# Allegro board S071AA-0413-20260427_Power.brd (continued)
## Routing (per net, layer and track width the routed paths; a pad name or vN(x,y) marks a point on that pad's centre or on a via; arc(x,y) is an arc through that point) (continued)
48.53,41.45 ; D120.B14 48.53,39.83 ; D120.B14 49.34,40.64 ; 55.34,415.29 DPS8.A01 ; DPS8.A01 56.96,415.29 ; DPS8.A01 56.15,414.48 ; DPS8.A01 56.15,416.1 ; 246.65,13.16 DPS1.A05 ; DPS1.A05 245.84,13.97 ; DPS1.A05 247.46,13.97 ; DPS1.A05 246.65,14.78 ; 95.98,342.9 CSDPS425.B14 ; CSDPS425.B14 96.79,343.71 ; CSDPS425.B14 97.6,342.9 ; CSDPS425.B14 96.79,342.09 ; UHC430.G1_11 19.99,358.45 ; UHC430.G1_11 18.37,358.45 ; UHC430.G1_11 19.18,359.26 ; UHC430.G1_11 19.18,357.64 ; D105.B4 244.11,102.41 ; D105.B4 243.3,101.6 ; D105.B4 244.11,100.79 ; D105.B4 244.92,101.6 ; D108.B5 246.65,38.91 ; D108.B5 247.46,38.1 ; D108.B5 245.84,38.1 ; D108.B5 246.65,37.29 ; 238.22,347.98 D110.B16 ; D110.B16 239.03,347.17 ; D110.B16 239.03,348.79 ; D110.B16 239.84,347.98 ; 263.62,327.66 D109.B6 ; D109.B6 264.43,328.47 ; D109.B6 264.43,326.85 ; D109.B6 265.24,327.66 ; D101.A1 162.83,94.79 ; D101.A1 163.64,93.98 ; D101.A1 162.83,93.17 ; D101.A1 162.02,93.98 ; D119.A14 49.34,55.88 ; D119.A14 48.53,55.07 ; D119.A14 47.72,55.88 ; D119.A14 48.53,56.69 ; 177.26,330.2 D113.B11 ; D113.B11 178.88,330.2 ; D113.B11 178.07,331.01 ; D113.B11 178.07,329.39 ; D428.B3 125.54,401.32 ; D428.B3 124.73,400.51 ; D428.B3 123.92,401.32 ; D428.B3 124.73,402.13 ; D114.B4 196.66,347.98 ; D114.B4 195.85,347.17 ; D114.B4 195.85,348.79 ; D114.B4 195.04,347.98 ; D106.B12 265.24,81.28 ; D106.B12 264.43,80.47 ; D106.B12 263.62,81.28 ; D106.B12 264.43,82.09 ; 53.61,397.97 D432.B2 ; D432.B2 53.61,399.59 ; D432.B2 54.42,398.78 ; D432.B2 52.8,398.78 ; D123.A16 127.27,56.69 ; D123.A16 127.27,55.07 ; D123.A16 126.46,55.88 ; D123.A16 128.08,55.88 ; 14.7,406.4 D432.A17 ; D432.A17 15.51,405.59 ; D432.A17 15.51,407.21 ; D432.A17 16.32,406.4 ; 167.91,390.35 D116.B15 ; D116.B15 167.91,391.97 ; D116.B15 168.72,391.16 ; D116.B15 167.1,391.16 ; 88.36,33.02 D124.A1 ; D124.A1 89.98,33.02 ; D124.A1 89.17,33.83 ; D124.A1 89.17,32.21 ; 162.02,38.1 D104.B1 ; D104.B1 162.83,38.91 ; D104.B1 163.64,38.1 ; D104.B1 162.83,37.29 ; 47.02,363.7 UHC430.G2_4 ; UHC430.G2_4 48.64,363.7 ; UHC430.G2_4 47.83,362.89 ; UHC430.G2_4 47.83,364.51 ; 239.03,367.49 D111.B16 ; D111.B16 239.84,368.3 ; D111.B16 238.22,368.3 ; D111.B16 239.03,369.11 ; 184.88,81.28 D102.B10 ; D102.B10 186.5,81.28 ; D102.B10 185.69,82.09 ; D102.B10 185.69,80.47 ; 254.27,367.49 D111.B10 ; D111.B10 253.46,368.3 ; D111.B10 254.27,369.11 ; D111.B10 255.08,368.3 ; 99.33,32.21 D124.A5 ; D124.A5 98.52,33.02 ; D124.A5 99.33,33.83 ; D124.A5 100.14,33.02 ; D108.A10 259.35,36.37 ; D108.A10 259.35,34.75 ; D108.A10 260.16,35.56 ; D108.A10 258.54,35.56 ; D232.B1 56.96,391.16 ; D232.B1 56.15,391.97 ; D232.B1 56.15,390.35 ; D232.B1 55.34,391.16 ; 48.17,361.95 UHC430.G2_6 ; UHC430.G2_6 48.98,361.14 ; UHC430.G2_6 49.79,361.95 ; UHC430.G2_6 48.98,362.76 ; D231.A14 23.94,373.38 ; D231.A14 22.32,373.38 ; D231.A14 23.13,374.19 ; D231.A14 23.13,372.57 ; D104.B2 166.18,40.64 ; D104.B2 165.37,39.83 ; D104.B2 164.56,40.64 ; D104.B2 165.37,41.45 ; CSDPS225.B10 107.76,332.74 ; CSDPS225.B10 106.95,333.55 ; CSDPS225.B10 106.95,331.93 ; CSDPS225.B10 106.14,332.74 ; D107.A1 236.49,54.15 ; D107.A1 237.3,53.34 ; D107.A1 236.49,52.53 ; D107.A1 235.68,53.34 ; 122.19,55.07 D123.A14 ; D123.A14 123,55.88 ; D123.A14 121.38,55.88 ; D123.A14 122.19,56.69 ; 43.45,377.65 D431.B6 ; D431.B6 43.45,379.27 ; D431.B6 42.64,378.46 ; D431.B6 44.26,378.46 ; D104.B9 183.15,38.91 ; D104.B9 183.15,37.29 ; D104.B9 183.96,38.1 ; D104.B9 182.34,38.1 ; D231.B11 30.75,371.65 ; D231.B11 30.75,370.03 ; D231.B11 29.94,370.84 ; D231.B11 31.56,370.84 ; D432.B11 31.56,401.32 ; D432.B11 30.75,402.13 ; D432.B11 29.94,401.32 ; D432.B11 30.75,400.51 ; 91.71,55.07 D123.A2 ; D123.A2 90.9,55.88 ; D123.A2 92.52,55.88 ; D123.A2 91.71,56.69 ; 190.77,55.07 D103.A12 ; D103.A12 191.58,55.88 ; D103.A12 190.77,56.69 ; D103.A12 189.96,55.88 ; 249.19,352.25 D110.A12 ; D110.A12 249.19,353.87 ; D110.A12 250,353.06 ; D110.A12 248.38,353.06 ; 95.98,76.2 D122.A4 ; D122.A4 96.79,75.39 ; D122.A4 96.79,77.01 ; D122.A4 97.6,76.2 ; D105.A16 275.4,96.52 ; D105.A16 273.78,96.52 ; D105.A16 274.59,95.71 ; D105.A16 274.59,97.33 ; 261.08,355.6 D110.A7 ; D110.A7 261.89,354.79 ; D110.A7 261.89,356.41 ; D110.A7 262.7,355.6 ; 162.02,73.66 D102.A1 ; D102.A1 162.83,72.85 ; D102.A1 163.64,73.66 ; D102.A1 162.83,74.47 ; 246.65,57.61 D107.B5 ; D107.B5 247.46,58.42 ; D107.B5 245.84,58.42 ; D107.B5 246.65,59.23 ; D110.B7 261.89,351.33 ; D110.B7 262.7,350.52 ; D110.B7 261.08,350.52 ; D110.B7 261.89,349.71 ; 246.65,349.71 D110.B13 ; D110.B13 246.65,351.33 ; D110.B13 247.46,350.52 ; D110.B13 245.84,350.52 ; 33.29,392.89 D232.A10 ; D232.A10 34.1,393.7 ; D232.A10 32.48,393.7 ; D232.A10 33.29,394.51 ; 35.02,391.16 D232.B9 ; D232.B9 35.83,391.97 ; D232.B9 36.64,391.16 ; D232.B9 35.83,390.35 ; 236.49,77.93 D106.B1 ; D106.B1 237.3,78.74 ; D106.B1 235.68,78.74 ; D106.B1 236.49,79.55 ; D112.B14 244.11,389.43 ; D112.B14 244.92,388.62 ; D112.B14 243.3,388.62 ; D112.B14 244.11,387.81 ; D103.A7 178.07,54.15 ; D103.A7 178.07,52.53 ; D103.A7 178.88,53.34 ; D103.A7 177.26,53.34 ; 42.64,342.9 CSDPS429.B6 ; CSDPS429.B6 44.26,342.9 ; CSDPS429.B6 43.45,342.09 ; CSDPS429.B6 43.45,343.71 ; D108.B3 242.38,38.1 ; D108.B3 240.76,38.1 ; D108.B3 241.57,38.91 ; D108.B3 241.57,37.29 ; 239.03,100.79 D105.B2 ; D105.B2 238.22,101.6 ; D105.B2 239.03,102.41 ; D105.B2 239.84,101.6 ; 94.25,359.87 CSDPS426.C15 ; CSDPS426.C15 93.44,360.68 ; CSDPS426.C15 95.06,360.68 ; CSDPS426.C15 94.25,361.49 ; 175.53,34.75 D104.A6 ; D104.A6 175.53,36.37 ; D104.A6 176.34,35.56 ; D104.A6 174.72,35.56 ; 40.91,370.03 D231.B7 ; D231.B7 40.91,371.65 ; D231.B7 41.72,370.84 ; D231.B7 40.1,370.84 ; D121.B10 112.03,102.41 ; D121.B10 112.03,100.79 ; D121.B10 112.84,101.6 ; D121.B10 111.22,101.6 ; 256,78.74 D106.B9 ; D106.B9 257.62,78.74 ; D106.B9 256.81,77.93 ; D106.B9 256.81,79.55 ; D427.A11 104.41,386.89 ; D427.A11 104.41,385.27 ; D427.A11 105.22,386.08 ; D427.A11 103.6,386.08 ; D432.A5 46.8,406.4 ; D432.A5 45.99,407.21 ; D432.A5 45.18,406.4 ; D432.A5 45.99,405.59 ; D227.A10 106.95,374.19 ; D227.A10 106.14,373.38 ; D227.A10 107.76,373.38 ; D227.A10 106.95,372.57 ; 200.12,373.38 D115.A2 ; D115.A2 200.93,372.57 ; D115.A2 200.93,374.19 ; D115.A2 201.74,373.38 ; D113.A14 170.45,333.55 ; D113.A14 169.64,332.74 ; D113.A14 171.26,332.74 ; D113.A14 170.45,331.93 ; D121.B12 117.92,101.6 ; D121.B12 117.11,100.79 ; D121.B12 117.11,102.41 ; D121.B12 116.3,101.6 ; 240.76,330.2 D109.B15 ; D109.B15 242.38,330.2 ; D109.B15 241.57,329.39 ; D109.B15 241.57,331.01 ; D102.A12 191.58,76.2 ; D102.A12 189.96,76.2 ; D102.A12 190.77,75.39 ; D102.A12 190.77,77.01 ; UHC230.G3_13 45.19,348.29 ; UHC230.G3_13 44.38,349.1 ; UHC230.G3_13 43.57,348.29 ; UHC230.G3_13 44.38,347.48 ; 42.64,398.78 D432.B6 ; D432.B6 43.45,397.97 ; D432.B6 44.26,398.78 ; D432.B6 43.45,399.59 ; 38.37,382.73 D431.A8 ; D431.A8 39.18,383.54 ; D431.A8 38.37,384.35 ; D431.A8 37.56,383.54 ; 266.97,349.71 D110.B5 ; D110.B5 267.78,350.52 ; D110.B5 266.97,351.33 ; D110.B5 266.16,350.52 ; 193.31,32.21 D104.A13 ; D104.A13 194.12,33.02 ; D104.A13 192.5,33.02 ; D104.A13 193.31,33.83 ; D105.B7 252.54,99.06 ; D105.B7 251.73,99.87 ; D105.B7 251.73,98.25 ; D105.B7 250.92,99.06 ; 52.8,332.74 CSDPS229.B2 ; CSDPS229.B2 53.61,333.55 ; CSDPS229.B2 54.42,332.74 ; CSDPS229.B2 53.61,331.93 ; UHC430.G1_12 17.69,358.45 ; UHC430.G1_12 16.07,358.45 ; UHC430.G1_12 16.88,359.26 ; UHC430.G1_12 16.88,357.64 ; D228.B16 92.52,388.62 ; D228.B16 91.71,389.43 ; D228.B16 90.9,388.62 ; D228.B16 91.71,387.81 ; 114.57,329.39 CSDPS225.C7 ; CSDPS225.C7 113.76,330.2 ; CSDPS225.C7 115.38,330.2 ; CSDPS225.C7 114.57,331.01 ; D120.B11 40.91,38.91 ; D120.B11 40.1,38.1 ; D120.B11 40.91,37.29 ; D120.B11 41.72,38.1 ; D119.B16 54.42,60.96 ; D119.B16 53.61,60.15 ; D119.B16 52.8,60.96 ; D119.B16 53.61,61.77 ; 249.19,39.83 D108.B6 ; D108.B6 250,40.64 ; D108.B6 248.38,40.64 ; D108.B6 249.19,41.45 ; D119.A5 25.67,54.15 ; D119.A5 26.48,53.34 ; D119.A5 24.86,53.34 ; D119.A5 25.67,52.53 ; UHC230.G3_2 46.68,356.1 ; UHC230.G3_2 46.68,354.48 ; UHC230.G3_2 47.49,355.29 ; UHC230.G3_2 45.87,355.29 ; DPS3.B11 114.57,17.32 ; DPS3.B11 115.38,16.51 ; DPS3.B11 114.57,15.7 ; DPS3.B11 113.76,16.51 ; 167.91,52.53 D103.A3 ; D103.A3 168.72,53.34 ; D103.A3 167.1,53.34 ; D103.A3 167.91,54.15 ; D113.B13 173.8,330.2 ; D113.B13 172.99,329.39 ; D113.B13 172.99,331.01 ; D113.B13 172.18,330.2 ; 185.69,392.89 D116.A8 ; D116.A8 186.5,393.7 ; D116.A8 185.69,394.51 ; D116.A8 184.88,393.7 ; 121.38,393.7 D228.A4 ; D228.A4 123,393.7 ; D228.A4 122.19,394.51 ; D228.A4 122.19,392.89 ; 254.27,95.71 D105.A8 ; D105.A8 253.46,96.52 ; D105.A8 255.08,96.52 ; D105.A8 254.27,97.33 ; 274.59,55.07 D107.A16 ; D107.A16 275.4,55.88 ; D107.A16 274.59,56.69 ; D107.A16 273.78,55.88 ; D111.A3 272.05,376.73 ; D111.A3 271.24,375.92 ; D111.A3 272.86,375.92 ; D111.A3 272.05,375.11 ; 263.62,101.6 D105.B12 ; D105.B12 264.43,100.79 ; D105.B12 264.43,102.41 ; D105.B12 265.24,101.6 ; D109.A6 264.43,333.55 ; D109.A6 264.43,331.93 ; D109.A6 263.62,332.74 ; D109.A6 265.24,332.74 ; 259.35,80.47 D106.B10 ; D106.B10 258.54,81.28 ; D106.B10 260.16,81.28 ; D106.B10 259.35,82.09 ; D111.A7 262.7,375.92 ; D111.A7 261.08,375.92 ; D111.A7 261.89,376.73 ; D111.A7 261.89,375.11 ; D123.A5 99.33,54.15 ; D123.A5 98.52,53.34 ; D123.A5 100.14,53.34 ; D123.A5 99.33,52.53 ; D114.B5 194.12,350.52 ; D114.B5 193.31,351.33 ; D114.B5 193.31,349.71 ; D114.B5 192.5,350.52 ; 91.71,352.25 CSDPS226.B16 ; CSDPS226.B16 90.9,353.06 ; CSDPS226.B16 91.71,353.87 ; CSDPS226.B16 92.52,353.06 ; D231.B3 51.07,371.65 ; D231.B3 51.07,370.03 ; D231.B3 50.26,370.84 ; D231.B3 51.88,370.84 ; D427.A16 91.71,384.35 ; D427.A16 92.52,383.54 ; D427.A16 91.71,382.73 ; D427.A16 90.9,383.54 ; 123.92,93.98 D121.A15 ; D121.A15 125.54,93.98 ; D121.A15 124.73,94.79 ; D121.A15 124.73,93.17 ; 121.38,342.9 CSDPS425.B4 ; CSDPS425.B4 123,342.9 ; CSDPS425.B4 122.19,342.09 ; CSDPS425.B4 122.19,343.71 ; D109.A15 242.38,335.28 ; D109.A15 240.76,335.28 ; D109.A15 241.57,334.47 ; D109.A15 241.57,336.09 ; D106.B4 244.11,82.09 ; D106.B4 244.11,80.47 ; D106.B4 244.92,81.28 ; D106.B4 243.3,81.28 ; D232.A9 36.64,396.24 ; D232.A9 35.83,395.43 ; D232.A9 35.83,397.05 ; D232.A9 35.02,396.24 ; DPS8.B05 46.8,412.75 ; DPS8.B05 45.99,411.94 ; DPS8.B05 45.18,412.75 ; DPS8.B05 45.99,413.56 ; CSDPS426.B14 96.79,364.03 ; CSDPS426.B14 97.6,363.22 ; CSDPS426.B14 96.79,362.41 ; CSDPS426.B14 95.98,363.22 ; D102.B12 191.58,81.28 ; D102.B12 190.77,82.09 ; D102.B12 189.96,81.28 ; D102.B12 190.77,80.47 ; D231.B14 23.94,368.3 ; D231.B14 22.32,368.3 ; D231.B14 23.13,367.49 ; D231.B14 23.13,369.11 ; 95.98,403.86 D428.A14 ; D428.A14 96.79,403.05 ; D428.A14 97.6,403.86 ; D428.A14 96.79,404.67 ; D227.A14 96.79,374.19 ; D227.A14 96.79,372.57 ; D227.A14 97.6,373.38 ; D227.A14 95.98,373.38 ; D123.B3 94.25,59.23 ; D123.B3 95.06,58.42 ; D123.B3 94.25,57.61 ; D123.B3 93.44,58.42 ; D428.B9 110.3,401.32 ; D428.B9 109.49,400.51 ; D428.B9 108.68,401.32 ; D428.B9 109.49,402.13 ; 266.97,57.61 D107.B13 ; D107.B13 266.97,59.23 ; D107.B13 267.78,58.42 ; D107.B13 266.16,58.42 ; 95.98,55.88 D123.A4 ; D123.A4 96.79,55.07 ; D123.A4 96.79,56.69 ; D123.A4 97.6,55.88 ; 122.19,39.83 D124.B14 ; D124.B14 122.19,41.45 ; D124.B14 121.38,40.64 ; D124.B14 123,40.64 ; D427.B1 130.62,381 ; D427.B1 129,381 ; D427.B1 129.81,380.19 ; D427.B1 129.81,381.81 ; 32.48,35.56 D120.A8 ; D120.A8 33.29,34.75 ; D120.A8 34.1,35.56 ; D120.A8 33.29,36.37 ; 101.06,368.3 D227.B12 ; D227.B12 101.87,367.49 ; D227.B12 101.87,369.11 ; D227.B12 102.68,368.3
  L03_DIG w0.132: D428.B4 123,398.78 ; D428.B4 122.19,397.97 ; D428.B4 122.19,399.59 ; D428.B4 121.38,398.78 ; 99.33,400.51 D428.B13 ; D428.B13 98.52,401.32 ; D428.B13 99.33,402.13 ; D428.B13 100.14,401.32 ; D228.A5 120.46,396.24 ; D228.A5 118.84,396.24 ; D228.A5 119.65,397.05 ; D228.A5 119.65,395.43 ; 174.72,353.06 D114.A12 ; D114.A12 175.53,352.25 ; D114.A12 176.34,353.06 ; D114.A12 175.53,353.87 ; 29.94,99.06 D117.B7 ; D117.B7 31.56,99.06 ; D117.B7 30.75,99.87 ; D117.B7 30.75,98.25 ; 28.21,100.79 D117.B6 ; D117.B6 27.4,101.6 ; D117.B6 28.21,102.41 ; D117.B6 29.02,101.6 ; 251.73,98.25 D105.B7 ; D105.B7 250.92,99.06 ; D105.B7 251.73,99.87 ; D105.B7 252.54,99.06 ; 200.12,81.28 D102.B16 ; D102.B16 201.74,81.28 ; D102.B16 200.93,80.47 ; D102.B16 200.93,82.09 ; D432.B2 54.42,398.78 ; D432.B2 52.8,398.78 ; D432.B2 53.61,397.97 ; D432.B2 53.61,399.59 ; D431.B4 48.53,379.27 ; D431.B4 49.34,378.46 ; D431.B4 48.53,377.65 ; D431.B4 47.72,378.46 ; D108.B3 241.57,38.91 ; D108.B3 242.38,38.1 ; D108.B3 240.76,38.1 ; D108.B3 241.57,37.29 ; 198.39,57.61 D103.B15 ; D103.B15 197.58,58.42 ; D103.B15 199.2,58.42 ; D103.B15 198.39,59.23 ; 96.79,39.83 D124.B4 ; D124.B4 95.98,40.64 ; D124.B4 96.79,41.45 ; D124.B4 97.6,40.64 ; D114.B8 185.69,348.79 ; D114.B8 185.69,347.17 ; D114.B8 184.88,347.98 ; D114.B8 186.5,347.98 ; D124.B6 102.68,40.64 ; D124.B6 101.87,41.45 ; D124.B6 101.87,39.83 ; D124.B6 101.06,40.64 ; 30.75,32.21 D120.A7 ; D120.A7 29.94,33.02 ; D120.A7 31.56,33.02 ; D120.A7 30.75,33.83 ; 106.95,39.83 D124.B8 ; D124.B8 106.14,40.64 ; D124.B8 107.76,40.64 ; D124.B8 106.95,41.45 ; 48.17,365.45 UHC430.G2_1 ; UHC430.G2_1 48.98,364.64 ; UHC430.G2_1 49.79,365.45 ; UHC430.G2_1 48.98,366.26 ; 106.14,378.46 D427.B10 ; D427.B10 106.95,379.27 ; D427.B10 107.76,378.46 ; D427.B10 106.95,377.65 ; D431.A7 40.91,386.89 ; D431.A7 40.91,385.27 ; D431.A7 40.1,386.08 ; D431.A7 41.72,386.08 ; 203.47,354.79 D114.A1 ; D114.A1 202.66,355.6 ; D114.A1 203.47,356.41 ; D114.A1 204.28,355.6 ; 35.02,386.08 D431.A9 ; D431.A9 35.83,385.27 ; D431.A9 36.64,386.08 ; D431.A9 35.83,386.89 ; 239.03,372.57 D111.A16 ; D111.A16 239.84,373.38 ; D111.A16 239.03,374.19 ; D111.A16 238.22,373.38 ; CSDPS226.C9 110.3,350.52 ; CSDPS226.C9 109.49,349.71 ; CSDPS226.C9 108.68,350.52 ; CSDPS226.C9 109.49,351.33 ; 89.17,400.51 D428.B17 ; D428.B17 89.98,401.32 ; D428.B17 89.17,402.13 ; D428.B17 88.36,401.32 ; UHC230.G4_3 15.39,355.29 ; UHC230.G4_3 14.58,354.48 ; UHC230.G4_3 14.58,356.1 ; UHC230.G4_3 13.77,355.29 ; 27.4,332.74 CSDPS229.B12 ; CSDPS229.B12 28.21,333.55 ; CSDPS229.B12 28.21,331.93 ; CSDPS229.B12 29.02,332.74 ; 15.51,98.25 D117.B1 ; D117.B1 16.32,99.06 ; D117.B1 14.7,99.06 ; D117.B1 15.51,99.87 ; 89.17,380.19 D427.B17 ; D427.B17 88.36,381 ; D427.B17 89.98,381 ; D427.B17 89.17,381.81 ; 45.18,406.4 D432.A5 ; D432.A5 45.99,405.59 ; D432.A5 45.99,407.21 ; D432.A5 46.8,406.4 ; DPS3.C15 124.73,19.86 ; DPS3.C15 124.73,18.24 ; DPS3.C15 125.54,19.05 ; DPS3.C15 123.92,19.05 ; D101.B4 170.45,102.41 ; D101.B4 169.64,101.6 ; D101.B4 170.45,100.79 ; D101.B4 171.26,101.6 ; CSDPS426.B8 112.84,363.22 ; CSDPS426.B8 112.03,362.41 ; CSDPS426.B8 111.22,363.22 ; CSDPS426.B8 112.03,364.03 ; D101.A1 162.83,94.79 ; D101.A1 162.02,93.98 ; D101.A1 162.83,93.17 ; D101.A1 163.64,93.98 ; 44.38,354.48 UHC230.G3_3 ; UHC230.G3_3 43.57,355.29 ; UHC230.G3_3 44.38,356.1 ; UHC230.G3_3 45.19,355.29 ; 99.33,395.43 D228.A13 ; D228.A13 99.33,397.05 ; D228.A13 98.52,396.24 ; D228.A13 100.14,396.24 ; UHC430.G2_6 48.98,362.76 ; UHC430.G2_6 49.79,361.95 ; UHC430.G2_6 48.98,361.14 ; UHC430.G2_6 48.17,361.95 ; 126.46,96.52 D121.A16 ; D121.A16 128.08,96.52 ; D121.A16 127.27,97.33 ; D121.A16 127.27,95.71 ; CSDPS229.C1 56.15,331.01 ; CSDPS229.C1 55.34,330.2 ; CSDPS229.C1 56.15,329.39 ; CSDPS229.C1 56.96,330.2 ; CSDPS425.C3 124.73,341.17 ; CSDPS425.C3 124.73,339.55 ; CSDPS425.C3 123.92,340.36 ; CSDPS425.C3 125.54,340.36 ; D228.B5 119.65,391.97 ; D228.B5 118.84,391.16 ; D228.B5 119.65,390.35 ; D228.B5 120.46,391.16 ; 197.58,355.6 D114.A3 ; D114.A3 199.2,355.6 ; D114.A3 198.39,356.41 ; D114.A3 198.39,354.79 ; D111.A14 244.11,374.19 ; D111.A14 244.92,373.38 ; D111.A14 244.11,372.57 ; D111.A14 243.3,373.38 ; 249.19,55.07 D107.A6 ; D107.A6 249.19,56.69 ; D107.A6 250,55.88 ; D107.A6 248.38,55.88 ; D112.B14 244.11,389.43 ; D112.B14 244.11,387.81 ; D112.B14 244.92,388.62 ; D112.B14 243.3,388.62 ; 43.57,358.45 UHC430.G2_13 ; UHC430.G2_13 44.38,357.64 ; UHC430.G2_13 45.19,358.45 ; UHC430.G2_13 44.38,359.26 ; D119.A5 25.67,54.15 ; D119.A5 25.67,52.53 ; D119.A5 26.48,53.34 ; D119.A5 24.86,53.34 ; D107.B8 254.27,61.77 ; D107.B8 253.46,60.96 ; D107.B8 254.27,60.15 ; D107.B8 255.08,60.96 ; 95.98,353.06 CSDPS226.B14 ; CSDPS226.B14 96.79,352.25 ; CSDPS226.B14 96.79,353.87 ; CSDPS226.B14 97.6,353.06 ; 43.45,372.57 D231.A6 ; D231.A6 42.64,373.38 ; D231.A6 44.26,373.38 ; D231.A6 43.45,374.19 ; 182.34,391.16 D116.B9 ; D116.B9 183.15,390.35 ; D116.B9 183.15,391.97 ; D116.B9 183.96,391.16 ; 266.16,330.2 D109.B5 ; D109.B5 267.78,330.2 ; D109.B5 266.97,329.39 ; D109.B5 266.97,331.01 ; 114.57,349.71 CSDPS226.C7 ; CSDPS226.C7 115.38,350.52 ; CSDPS226.C7 114.57,351.33 ; CSDPS226.C7 113.76,350.52 ; 126.46,332.74 CSDPS225.B2 ; CSDPS225.B2 127.27,333.55 ; CSDPS225.B2 128.08,332.74 ; CSDPS225.B2 127.27,331.93 ; 192.5,350.52 D114.B5 ; D114.B5 193.31,349.71 ; D114.B5 193.31,351.33 ; D114.B5 194.12,350.52 ; 177.26,38.1 D104.B7 ; D104.B7 178.07,37.29 ; D104.B7 178.88,38.1 ; D104.B7 178.07,38.91 ; 172.99,329.39 D113.B13 ; D113.B13 172.18,330.2 ; D113.B13 173.8,330.2 ; D113.B13 172.99,331.01 ; 263.62,327.66 D109.B6 ; D109.B6 264.43,326.85 ; D109.B6 264.43,328.47 ; D109.B6 265.24,327.66 ; D105.B10 260.16,101.6 ; D105.B10 258.54,101.6 ; D105.B10 259.35,100.79 ; D105.B10 259.35,102.41 ; 51.07,93.17 D117.A15 ; D117.A15 51.88,93.98 ; D117.A15 51.07,94.79 ; D117.A15 50.26,93.98 ; 51.07,329.39 CSDPS229.C3 ; CSDPS229.C3 51.07,331.01 ; CSDPS229.C3 50.26,330.2 ; CSDPS229.C3 51.88,330.2 ; 42.64,378.46 D431.B6 ; D431.B6 44.26,378.46 ; D431.B6 43.45,377.65 ; D431.B6 43.45,379.27 ; D115.B7 188.23,371.65 ; D115.B7 188.23,370.03 ; D115.B7 187.42,370.84 ; D115.B7 189.04,370.84 ; UHC230.G4_11 19.99,348.29 ; UHC230.G4_11 19.18,347.48 ; UHC230.G4_11 19.18,349.1 ; UHC230.G4_11 18.37,348.29 ; 108.68,330.2 CSDPS225.C9 ; CSDPS225.C9 109.49,329.39 ; CSDPS225.C9 110.3,330.2 ; CSDPS225.C9 109.49,331.01 ; 268.7,388.62 D112.B4 ; D112.B4 270.32,388.62 ; D112.B4 269.51,389.43 ; D112.B4 269.51,387.81 ; 35.02,391.16 D232.B9 ; D232.B9 35.83,390.35 ; D232.B9 36.64,391.16 ; D232.B9 35.83,391.97 ; 239.03,75.39 D106.A2 ; D106.A2 239.84,76.2 ; D106.A2 239.03,77.01 ; D106.A2 238.22,76.2 ; 258.54,332.74 D109.A8 ; D109.A8 260.16,332.74 ; D109.A8 259.35,331.93 ; D109.A8 259.35,333.55 ; D103.A10 186.5,55.88 ; D103.A10 185.69,55.07 ; D103.A10 184.88,55.88 ; D103.A10 185.69,56.69 ; D432.B15 20.59,402.13 ; D432.B15 21.4,401.32 ; D432.B15 20.59,400.51 ; D432.B15 19.78,401.32 ; D427.B16 92.52,378.46 ; D427.B16 91.71,379.27 ; D427.B16 91.71,377.65 ; D427.B16 90.9,378.46 ; 29.94,412.75 DPS8.B11 ; DPS8.B11 30.75,413.56 ; DPS8.B11 31.56,412.75 ; DPS8.B11 30.75,411.94 ; D114.B1 203.47,351.33 ; D114.B1 204.28,350.52 ; D114.B1 203.47,349.71 ; D114.B1 202.66,350.52 ; D110.B6 264.43,348.79 ; D110.B6 263.62,347.98 ; D110.B6 265.24,347.98 ; D110.B6 264.43,347.17 ; 178.07,32.21 D104.A7 ; D104.A7 178.88,33.02 ; D104.A7 178.07,33.83 ; D104.A7 177.26,33.02 ; D110.A9 257.62,355.6 ; D110.A9 256.81,356.41 ; D110.A9 256.81,354.79 ; D110.A9 256,355.6 ; D123.A8 106.95,56.69 ; D123.A8 106.14,55.88 ; D123.A8 107.76,55.88 ; D123.A8 106.95,55.07 ; 40.91,395.43 D232.A7 ; D232.A7 40.1,396.24 ; D232.A7 41.72,396.24 ; D232.A7 40.91,397.05 ; D119.B7 31.56,58.42 ; D119.B7 30.75,59.23 ; D119.B7 30.75,57.61 ; D119.B7 29.94,58.42 ; 126.46,368.3 D227.B2 ; D227.B2 127.27,369.11 ; D227.B2 128.08,368.3 ; D227.B2 127.27,367.49 ; D115.B5 194.12,370.84 ; D115.B5 193.31,370.03 ; D115.B5 192.5,370.84 ; D115.B5 193.31,371.65 ; D428.A11 105.22,406.4 ; D428.A11 104.41,405.59 ; D428.A11 104.41,407.21 ; D428.A11 103.6,406.4 ; D431.A13 25.67,386.89 ; D431.A13 24.86,386.08 ; D431.A13 25.67,385.27 ; D431.A13 26.48,386.08 ; 178.07,52.53 D103.A7 ; D103.A7 178.07,54.15 ; D103.A7 177.26,53.34 ; D103.A7 178.88,53.34 ; 96.79,397.97 D428.B14 ; D428.B14 96.79,399.59 ; D428.B14 95.98,398.78 ; D428.B14 97.6,398.78 ; D115.A14 171.26,373.38 ; D115.A14 170.45,374.19 ; D115.A14 170.45,372.57 ; D115.A14 169.64,373.38 ; 37.56,393.7 D232.A8 ; D232.A8 38.37,392.89 ; D232.A8 39.18,393.7 ; D232.A8 38.37,394.51 ; D111.B8 259.35,369.11 ; D111.B8 259.35,367.49 ; D111.B8 260.16,368.3 ; D111.B8 258.54,368.3 ; 180.61,326.85 D113.B10 ; D113.B10 181.42,327.66 ; D113.B10 179.8,327.66 ; D113.B10 180.61,328.47 ; D106.B10 260.16,81.28 ; D106.B10 258.54,81.28 ; D106.B10 259.35,82.09 ; D106.B10 259.35,80.47 ; 121.38,76.2 D122.A14 ; D122.A14 123,76.2 ; D122.A14 122.19,75.39 ; D122.A14 122.19,77.01 ; D124.B10 112.84,40.64 ; D124.B10 111.22,40.64 ; D124.B10 112.03,39.83 ; D124.B10 112.03,41.45 ; D118.A9 35.83,74.47 ; D118.A9 35.83,72.85 ; D118.A9 35.02,73.66 ; D118.A9 36.64,73.66 ; D124.B14 123,40.64 ; D124.B14 121.38,40.64 ; D124.B14 122.19,39.83 ; D124.B14 122.19,41.45 ; D115.A9 183.96,375.92 ; D115.A9 182.34,375.92 ; D115.A9 183.15,375.11 ; D115.A9 183.15,376.73 ; D112.B16 239.84,388.62 ; D112.B16 239.03,389.43 ; D112.B16 239.03,387.81 ; D112.B16 238.22,388.62 ; 20.59,32.21 D120.A3 ; D120.A3 21.4,33.02 ; D120.A3 19.78,33.02 ; D120.A3 20.59,33.83 ; D118.B2 18.05,82.09 ; D118.B2 18.05,80.47 ; D118.B2 17.24,81.28 ; D118.B2 18.86,81.28 ; D228.B16 92.52,388.62 ; D228.B16 90.9,388.62 ; D228.B16 91.71,387.81 ; D228.B16 91.71,389.43 ; D122.A2 91.71,77.01 ; D122.A2 90.9,76.2 ; D122.A2 91.71,75.39 ; D122.A2 92.52,76.2 ; 245.84,370.84 D111.B13 ; D111.B13 247.46,370.84 ; D111.B13 246.65,371.65 ; D111.B13 246.65,370.03 ; D117.A1 16.32,93.98 ; D117.A1 15.51,94.79 ; D117.A1 14.7,93.98 ; D117.A1 15.51,93.17 ; CSDPS429.C15 21.4,340.36 ; CSDPS429.C15 20.59,341.17 ; CSDPS429.C15 20.59,339.55 ; CSDPS429.C15 19.78,340.36 ; 89.17,37.29 D124.B1 ; D124.B1 89.17,38.91 ; D124.B1 89.98,38.1 ; D124.B1 88.36,38.1 ; D102.A10 186.5,76.2 ; D102.A10 185.69,75.39 ; D102.A10 184.88,76.2 ; D102.A10 185.69,77.01 ; D124.B15 125.54,38.1 ; D124.B15 124.73,38.91 ; D124.B15 124.73,37.29 ; D124.B15 123.92,38.1 ; D111.B16 239.03,369.11 ; D111.B16 239.03,367.49 ; D111.B16 238.22,368.3 ; D111.B16 239.84,368.3 ; 172.99,52.53 D103.A5 ; D103.A5 173.8,53.34 ; D103.A5 172.99,54.15 ; D103.A5 172.18,53.34 ; 117.11,362.41 CSDPS426.B6 ; CSDPS426.B6 117.11,364.03 ; CSDPS426.B6 116.3,363.22 ; CSDPS426.B6 117.92,363.22 ; D431.B13 25.67,381.81 ; D431.B13 25.67,380.19 ; D431.B13 26.48,381 ; D431.B13 24.86,381 ; D110.A6 264.43,353.87 ; D110.A6 263.62,353.06 ; D110.A6 265.24,353.06 ; D110.A6 264.43,352.25 ; 241.57,329.39 D109.B15 ; D109.B15 241.57,331.01 ; D109.B15 240.76,330.2 ; D109.B15 242.38,330.2 ; CSDPS425.B16 92.52,342.9 ; CSDPS425.B16 91.71,342.09 ; CSDPS425.B16 91.71,343.71 ; CSDPS425.B16 90.9,342.9 ; CSDPS425.C11 104.41,341.17 ; CSDPS425.C11 105.22,340.36 ; CSDPS425.C11 103.6,340.36 ; CSDPS425.C11 104.41,339.55 ; 183.15,354.79 D114.A9 ; D114.A9 183.15,356.41 ; D114.A9 183.96,355.6 ; D114.A9 182.34,355.6 ; 185.69,387.81 D116.B8 ; D116.B8 186.5,388.62 ; D116.B8 184.88,388.62 ; D116.B8 185.69,389.43 ; D108.B11 262.7,38.1 ; D108.B11 261.89,38.91 ; D108.B11 261.89,37.29 ; D108.B11 261.08,38.1 ; D119.B10 38.37,61.77 ; D119.B10 39.18,60.96 ; D119.B10 37.56,60.96 ; D119.B10 38.37,60.15 ; 190.77,55.07 D103.A12 ; D103.A12 190.77,56.69 ; D103.A12 191.58,55.88 ; D103.A12 189.96,55.88 ; 124.73,77.93 D122.B15 ; D122.B15 123.92,78.74 ; D122.B15 124.73,79.55 ; D122.B15 125.54,78.74 ; 112.03,367.49 D227.B8 ; D227.B8 112.84,368.3 ; D227.B8 111.22,368.3 ; D227.B8 112.03,369.11 ; 164.56,347.98 D114.B16 ; D114.B16 165.37,348.79 ; D114.B16 166.18,347.98 ; D114.B16 165.37,347.17 ; 56.15,405.59 D432.A1 ; D432.A1 55.34,406.4 ; D432.A1 56.96,406.4 ; D432.A1 56.15,407.21 ; D117.B11 40.91,99.87 ; D117.B11 40.1,99.06 ; D117.B11 41.72,99.06 ; D117.B11 40.91,98.25 ; D103.A2 166.18,55.88 ; D103.A2 165.37,55.07 ; D103.A2 164.56,55.88 ; D103.A2 165.37,56.69 ; 40.91,390.35 D232.B7 ; D232.B7 40.1,391.16 ; D232.B7 40.91,391.97 ; D232.B7 41.72,391.16 ; D109.B9 257.62,330.2 ; D109.B9 256.81,329.39 ; D109.B9 256,330.2 ; D109.B9 256.81,331.01 ; 116.3,353.06 CSDPS226.B6 ; CSDPS226.B6 117.11,353.87 ; CSDPS226.B6 117.92,353.06 ; CSDPS226.B6 117.11,352.25 ; 256,73.66 D106.A9 ; D106.A9 256.81,74.47 ; D106.A9 257.62,73.66 ; D106.A9 256.81,72.85 ; 124.73,93.17 D121.A15 ; D121.A15 123.92,93.98 ; D121.A15 125.54,93.98 ; D121.A15 124.73,94.79 ; D115.B6 191.58,368.3 ; D115.B6 189.96,368.3 ; D115.B6 190.77,367.49 ; D115.B6 190.77,369.11 ; 33.29,372.57 D231.A10 ; D231.A10 33.29,374.19 ; D231.A10 34.1,373.38 ; D231.A10 32.48,373.38 ; 240.76,58.42 D107.B3 ; D107.B3 241.57,57.61 ; D107.B3 241.57,59.23 ; D107.B3 242.38,58.42 ; D124.A13 120.46,33.02 ; D124.A13 119.65,32.21 ; D124.A13 118.84,33.02 ; D124.A13 119.65,33.83 ; D123.A15 124.73,54.15 ; D123.A15 123.92,53.34 ; D123.A15 124.73,52.53 ; D123.A15 125.54,53.34 ; D228.A9 110.3,396.24 ; D228.A9 108.68,396.24 ; D228.A9 109.49,395.43 ; D228.A9 109.49,397.05 ; 174.72,96.52 D101.A6 ; D101.A6 175.53,95.71 ; D101.A6 175.53,97.33 ; D101.A6 176.34,96.52 ; 244.11,39.83 D108.B4 ; D108.B4 244.92,40.64 ; D108.B4 243.3,40.64 ; D108.B4 244.11,41.45 ; D122.B5 100.14,78.74 ; D122.B5 99.33,79.55 ; D122.B5 99.33,77.93 ; D122.B5 98.52,78.74 ; D112.A1 277.94,396.24 ; D112.A1 277.13,397.05 ; D112.A1 276.32,396.24 ; D112.A1 277.13,395.43 ; 53.61,100.79 D117.B16 ; D117.B16 54.42,101.6 ; D117.B16 52.8,101.6 ; D117.B16 53.61,102.41 ; D120.B7 31.56,38.1 ; D120.B7 29.94,38.1 ; D120.B7 30.75,37.29 ; D120.B7 30.75,38.91 ; D110.B13 247.46,350.52 ; D110.B13 246.65,349.71 ; D110.B13 246.65,351.33 ; D110.B13 245.84,350.52 ; D112.B7 261.89,391.97 ; D112.B7 262.7,391.16 ; D112.B7 261.89,390.35 ; D112.B7 261.08,391.16 ; 165.37,75.39 D102.A2 ; D102.A2 164.56,76.2 ; D102.A2 166.18,76.2 ; D102.A2 165.37,77.01 ; D232.B1 56.96,391.16 ; D232.B1 56.15,390.35 ; D232.B1 56.15,391.97 ; D232.B1 55.34,391.16 ; D108.B14 270.32,40.64 ; D108.B14 269.51,39.83 ; D108.B14 268.7,40.64 ; D108.B14 269.51,41.45 ; 253.46,393.7 D112.A10 ; D112.A10 254.27,394.51 ; D112.A10 254.27,392.89 ; D112.A10 255.08,393.7 ; UHC430.G2_5 46.34,363.7 ; UHC430.G2_5 45.53,364.51 ; UHC430.G2_5 44.72,363.7 ; UHC430.G2_5 45.53,362.89 ; 246.65,329.39 D109.B13 ; D109.B13 245.84,330.2 ; D109.B13 246.65,331.01 ; D109.B13 247.46,330.2 ; 94.25,339.55 CSDPS425.C15 ; CSDPS425.C15 95.06,340.36 ; CSDPS425.C15 93.44,340.36 ; CSDPS425.C15 94.25,341.17 ; 268.7,327.66 D109.B4 ; D109.B4 269.51,326.85 ; D109.B4 269.51,328.47 ; D109.B4 270.32,327.66 ; 266.97,32.21 D108.A13 ; D108.A13 266.16,33.02 ; D108.A13 267.78,33.02 ; D108.A13 266.97,33.83 ; D102.B14 196.66,81.28 ; D102.B14 195.04,81.28 ; D102.B14 195.85,82.09 ; D102.B14 195.85,80.47 ; 187.42,391.16 D116.B7 ; D116.B7 189.04,391.16 ; D116.B7 188.23,391.97 ; D116.B7 188.23,390.35 ; 167.1,355.6 D114.A15 ; D114.A15 168.72,355.6 ; D114.A15 167.91,356.41 ; D114.A15 167.91,354.79 ; D119.A3 21.4,53.34 ; D119.A3 19.78,53.34 ; D119.A3 20.59,54.15 ; D119.A3 20.59,52.53 ; 52.24,149.1 KS3.6 ; KS3.6 53.36,147.98 ; KS3.6 53.36,150.22 ; KS3.6 54.47,149.1 ; D116.B5 193.31,391.97 ; D116.B5 192.5,391.16 ; D116.B5 193.31,390.35 ; D116.B5 194.12,391.16 ; 248.38,101.6 D105.B6 ; D105.B6 249.19,102.41 ; D105.B6 249.19,100.79 ; D105.B6 250,101.6 ; 264.43,392.89 D112.A6 ; D112.A6 265.24,393.7 ; D112.A6 264.43,394.51 ; D112.A6 263.62,393.7 ; 35.83,400.51 D432.B9 ; D432.B9 35.02,401.32 ; D432.B9 35.83,402.13 ; D432.B9 36.64,401.32 ; UHC230.G4 17.69,351.79 ; UHC230.G4 16.88,352.6 ; UHC230.G4 16.88,350.98 ; UHC230.G4 16.07,351.79 ; 243.3,347.98 D110.B14 ; D110.B14 244.92,347.98 ; D110.B14 244.11,347.17 ; D110.B14 244.11,348.79 ; D431.A14 23.13,384.35 ; D431.A14 23.94,383.54 ; D431.A14 23.13,382.73 ; D431.A14 22.32,383.54 ; 45.18,78.74 D118.B13 ; D118.B13 46.8,78.74 ; D118.B13 45.99,77.93 ; D118.B13 45.99,79.55 ; 167.1,335.28 D113.A15 ; D113.A15 167.91,336.09 ; D113.A15 167.91,334.47 ; D113.A15 168.72,335.28 ; 90.9,96.52 D121.A2 ; D121.A2 91.71,97.33 ; D121.A2 91.71,95.71 ; D121.A2 92.52,96.52 ; 16.88,361.14 UHC430.G1 ; UHC430.G1 16.07,361.95 ; UHC430.G1 16.88,362.76 ; UHC430.G1 17.69,361.95 ; D432.B17 15.51,402.13 ; D432.B17 16.32,401.32 ; D432.B17 15.51,400.51 ; D432.B17 14.7,401.32 ; 248.38,327.66 D109.B12 ; D109.B12 249.19,326.85 ; D109.B12 249.19,328.47 ; D109.B12 250,327.66 ; D106.A10 259.35,77.01 ; D106.A10 259.35,75.39 ; D106.A10 260.16,76.2 ; D106.A10 258.54,76.2 ; D427.A3 124.73,386.89 ; D427.A3 125.54,386.08 ; D427.A3 124.73,385.27 ; D427.A3 123.92,386.08 ; D124.A9 110.3,33.02 ; D124.A9 109.49,33.83 ; D124.A9 108.68,33.02 ; D124.A9 109.49,32.21 ; 261.08,330.2 D109.B7 ; D109.B7 262.7,330.2 ; D109.B7 261.89,329.39 ; D109.B7 261.89,331.01 ; 180.61,55.07 D103.A8 ; D103.A8 180.61,56.69 ; D103.A8 181.42,55.88 ; D103.A8 179.8,55.88 ; D110.B15 241.57,351.33 ; D110.B15 242.38,350.52 ; D110.B15 241.57,349.71 ; D110.B15 240.76,350.52 ; 51.07,72.85 D118.A15 ; D118.A15 50.26,73.66 ; D118.A15 51.07,74.47 ; D118.A15 51.88,73.66 ; D112.B3 272.05,391.97 ; D112.B3 271.24,391.16 ; D112.B3 272.05,390.35 ; D112.B3 272.86,391.16 ; D120.B3 20.59,38.91 ; D120.B3 20.59,37.29 ; D120.B3 19.78,38.1 ; D120.B3 21.4,38.1 ; D102.B9 183.96,78.74 ; D102.B9 183.15,79.55 ; D102.B9 182.34,78.74 ; D102.B9 183.15,77.93 ; D120.B1 16.32,38.1 ; D120.B1 15.51,37.29 ; D120.B1 15.51,38.91 ; D120.B1 14.7,38.1 ; 14.7,375.92 D231.A17 ; D231.A17 15.51,375.11 ; D231.A17 15.51,376.73 ; D231.A17 16.32,375.92 ; CSDPS429.B4 48.53,343.71 ; CSDPS429.B4 49.34,342.9 ; CSDPS429.B4 47.72,342.9 ; CSDPS429.B4 48.53,342.09 ; 200.12,388.62 D116.B2 ; D116.B2 200.93,389.43 ; D116.B2 201.74,388.62 ; D116.B2 200.93,387.81 ; D101.A11 189.04,93.98 ; D101.A11 187.42,93.98 ; D101.A11 188.23,94.79 ; D101.A11 188.23,93.17 ; D227.A8 112.84,373.38 ; D227.A8 112.03,374.19 ; D227.A8 111.22,373.38 ; D227.A8 112.03,372.57 ; 52.8,332.74 CSDPS229.B2 ; CSDPS229.B2 53.61,331.93 ; CSDPS229.B2 53.61,333.55 ; CSDPS229.B2 54.42,332.74 ; D105.A11 261.89,94.79 ; D105.A11 262.7,93.98 ; D105.A11 261.89,93.17 ; D105.A11 261.08,93.98 ; 104.41,370.03 D227.B11 ; D227.B11 105.22,370.84 ; D227.B11 104.41,371.65 ; D227.B11 103.6,370.84 ; D427.B1 129.81,381.81 ; D427.B1 129,381 ; D427.B1 129.81,380.19 ; D427.B1 130.62,381 ; D115.A4 196.66,373.38 ; D115.A4 195.04,373.38 ; D115.A4 195.85,372.57 ; D115.A4 195.85,374.19 ; 35.02,93.98 D117.A9 ; D117.A9 36.64,93.98 ; D117.A9 35.83,93.17 ; D117.A9 35.83,94.79 ; D110.A5 267.78,355.6 ; D110.A5 266.97,354.79 ; D110.A5 266.97,356.41 ; D110.A5 266.16,355.6 ; D118.A16 53.61,77.01 ; D118.A16 53.61,75.39 ; D118.A16 52.8,76.2 ; D118.A16 54.42,76.2 ; 202.66,410.21 DPS2.C01 ; DPS2.C01 203.47,411.02 ; DPS2.C01 204.28,410.21 ; DPS2.C01 203.47,409.4 ; 122.19,342.09 CSDPS425.B4 ; CSDPS425.B4 122.19,343.71 ; CSDPS425.B4 123,342.9 ; CSDPS425.B4 121.38,342.9 ; D122.A9 110.3,73.66 ; D122.A9 109.49,74.47 ; D122.A9 108.68,73.66 ; D122.A9 109.49,72.85 ; D108.B6 249.19,41.45 ; D108.B6 249.19,39.83 ; D108.B6 248.38,40.64 ; D108.B6 250,40.64 ; 192.5,396.24 D116.A5 ; D116.A5 194.12,396.24 ; D116.A5 193.31,397.05 ; D116.A5 193.31,395.43 ; D115.A6 190.77,374.19 ; D115.A6 190.77,372.57 ; D115.A6 191.58,373.38 ; D115.A6 189.96,373.38 ; D112.A3 272.86,396.24 ; D112.A3 272.05,397.05 ; D112.A3 271.24,396.24 ; D112.A3 272.05,395.43 ; D228.B11 104.41,391.97 ; D228.B11 105.22,391.16 ; D228.B11 103.6,391.16 ; D228.B11 104.41,390.35 ; D115.A2 201.74,373.38 ; D115.A2 200.93,372.57 ; D115.A2 200.12,373.38 ; D115.A2 200.93,374.19 ; 118.84,38.1 D124.B13 ; D124.B13 119.65,37.29 ; D124.B13 120.46,38.1 ; D124.B13 119.65,38.91 ; 188.23,57.61 D103.B11 ; D103.B11 187.42,58.42 ; D103.B11 188.23,59.23 ; D103.B11 189.04,58.42 ; 45.18,412.75 DPS8.B05 ; DPS8.B05 45.99,411.94 ; DPS8.B05 46.8,412.75 ; DPS8.B05 45.99,413.56 ; 18.05,387.81 D232.B16 ; D232.B16 17.24,388.62 ; D232.B16 18.05,389.43 ; D232.B16 18.86,388.62 